# Altium PCB WSD_PCB.PcbDoc (part 1 of 2) (continued)
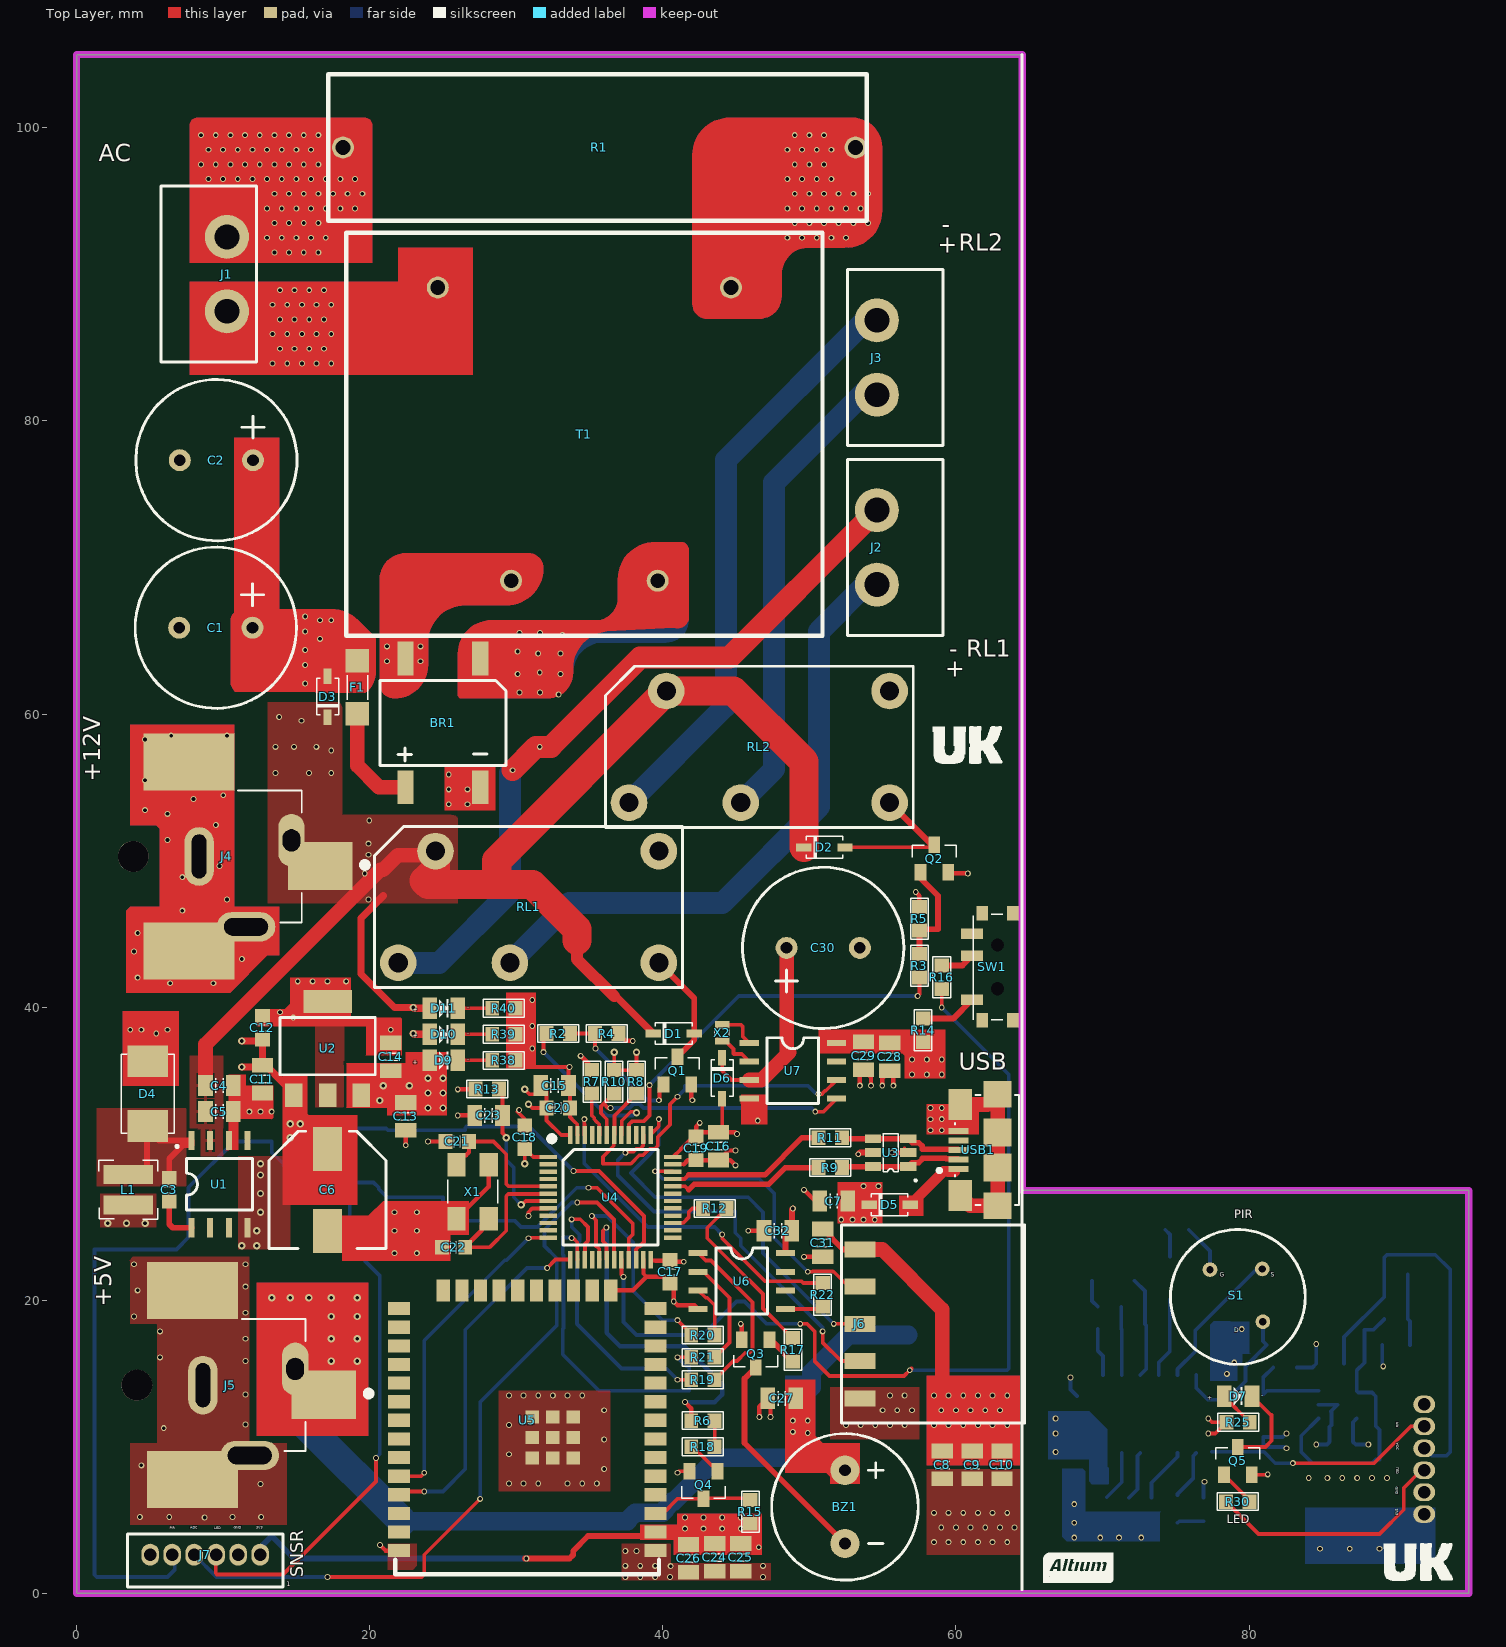
[diagram p0: Top Layer view]
## Components (designator, comment, footprint, x,y, rotation, side; value= is the part's Value field where it differs from the comment)
BR1 "DB105S" DB105S 24.998,59.288 r180 top
BZ1 "CMI-9605IC-0580T" CMI-9605IC-0580T 52.43,5.908 r0 top
C1 "470u" "CAP ALUM RADIAL TH D10 L20 P5" 9.504,65.892 r180 top
C2 "470u" "CAP ALUM RADIAL TH D10 L20 P5" 9.544,77.322 r180 top
C3 "10n" "CAPACITOR 0603" 6.325,27.546 r90 top
C4 "1u" "CAPACITOR 0805 - duplicate" 9.754,34.658 r180 top value=1uF
C5 "100n" "CAPACITOR 0805 - duplicate" 9.754,32.88 r180 top value=100nF
C6 "68u" "CAP ALUM RADIAL SMD D6.3 L7.7 P1.8" 17.124,27.538 r270 top
C7 "4u7" "CAPACITOR 0805 - duplicate" 51.668,26.776 r0 top value=4.7uF
C8 "4u7" "CAPACITOR 0805 - duplicate" 59.074,8.768 r90 top value=4.7uF
C9 "4u7" "CAPACITOR 0805 - duplicate" 61.106,8.768 r90 top value=4.7uF
C10 "1u" "CAPACITOR 0805 - duplicate" 63.138,8.768 r90 top value=1uF
C11 "1u" "CAPACITOR 0805 - duplicate" 12.687,35.097 r90 top value=1uF
C12 "100n" "Capacitor 0603" 12.687,38.587 r270 top value=100nF
C13 "4u7" "CAPACITOR 0805 - duplicate" 22.458,32.552 r90 top value=4.7uF
C14 "1u" "CAPACITOR 0805 - duplicate" 21.442,36.616 r270 top value=1uF
C15 "4u7" "CAPACITOR 0805 - duplicate" 32.618,34.65 r180 top value=4.7uF
C16 "1u" "CAPACITOR 0805 - duplicate" 43.794,30.52 r90 top value=1uF
C17 "100n" "Capacitor 0603" 40.492,21.95 r90 top value=100nF
C18 "100n" "Capacitor 0603" 30.586,31.132 r270 top value=100nF
C19 "100n" "Capacitor 0603" 42.27,30.37 r90 top value=100nF
C20 "100n" "Capacitor 0603" 32.872,33.126 r180 top value=100nF
C21 "20p" "CAPACITOR 0603" 25.976,30.84 r0 top
C22 "20p" "CAPACITOR 0603" 25.722,23.63 r0 top
C23 "100n" "CAPACITOR 0805 - duplicate" 28.112,32.618 r0 top value=100nF
C24 "4u7" "CAPACITOR 0805 - duplicate" 43.54,2.458 r90 top value=4.7uF
C25 "1u" "CAPACITOR 0805 - duplicate" 45.318,2.458 r90 top value=1uF
C26 "100n" "CAPACITOR 0805 - duplicate" 41.762,2.392 r90 top value=100nF
C27 "100n" "CAPACITOR 0805 - duplicate" 48.112,13.314 r0 top value=100nF
C28 "100n" "CAPACITOR 0805 - duplicate" 55.478,36.616 r90 top value=100nF
C29 "1u" "CAPACITOR 0805 - duplicate" 53.7,36.682 r90 top value=1uF
C30 "470u" "CAP ALUM RADIAL TH D10 L20 P5" 50.946,44.048 r0 top
C31 "1u" "CAPACITOR 0805 - duplicate" 50.906,23.916 r90 top value=1uF
C32 "100n" "CAPACITOR 0805 - duplicate" 47.858,24.744 r0 top value=100nF
C33 "10n" "CAPACITOR 0603" 70.523,16.516 r180 bottom
C34 "33u" "CAPACITOR 1206" 70.739,21.342 r180 bottom
C35 "100n" "Capacitor 0603" 70.292,5.77 r90 bottom value=100nF
C36 "10n" "CAPACITOR 0603" 73.787,18.294 r180 bottom
C37 "100n" "Capacitor 0603" 80.414,16.946 r180 bottom value=100nF
C38 "33u" "CAPACITOR 1206" 74.61,21.518 r270 bottom
C39 "100n" "Capacitor 0603" 68.26,12.666 r270 bottom value=100nF
C40 "1u" "CAPACITOR 0805 - duplicate" 68.006,8.884 r90 bottom value=1uF
C41 "100n" "Capacitor 0603" 77.15,17.962 r180 bottom value=100nF
C42 "4u7" "CAPACITOR 0805 - duplicate" 88.9,5.776 r270 bottom value=4.7uF
C43 "4u7" "CAPACITOR 0805 - duplicate" 86.868,5.776 r270 bottom value=4.7uF
C44 "1u" "CAPACITOR 0805 - duplicate" 84.836,5.776 r270 bottom value=1uF
C45 "100n" "Capacitor 0603" 86.294,10.342 r0 bottom value=100nF
C46 "4u7" "CAPACITOR 0805 - duplicate" 90.033,16.946 r180 bottom value=4.7uF
C47 "1u" "CAPACITOR 0805 - duplicate" 85.532,15.676 r0 bottom value=1uF
D1 "1N4148WS" SOD-323F 40.746,38.206 r180 top value=4pF
D2 "1N4148WS" SOD-323F 51.03,50.906 r180 top value=4pF
D3 "1N4148WS" SOD-323F 17.124,61.19 r270 top value=4pF
D4 "1SMB5919BT3G" SMB 4.861,34.103 r270 top
D5 "1N4148WS" SOD-323F 55.478,26.522 r180 top value=4pF
D6 "1N4148WS" SOD-323F 44.048,35.158 r90 top value=4pF
D7 "HSMC-C170" "LED RED 0805" 79.248,13.462 r0 top
D8 "LTST-C171GKT" "LED GREEN 0805" 75.118,5.77 r90 bottom
D9 "LTST-C171GKT" "LED GREEN 0805" 25.052,36.374 r0 top
D10 "LTST-C171GKT" "LED GREEN 0805" 25.052,38.152 r0 top
D11 "LTST-C171GKT" "LED GREEN 0805" 25.052,39.93 r0 top
F1 "3413.0216.22" 3413.0216.22 19.156,61.828 r90 top
J1 "TBP01R1-508-02BE" "2P TH TERMINAL 5.08 MALE" 10.266,90.022 r270 top
J2 "TBP01R1-508-02BE" "2P TH TERMINAL 5.08 MALE" 54.61,71.374 r90 top
J3 "TBP01R1-508-02BE" "2P TH TERMINAL 5.08 MALE" 54.61,84.328 r90 top
J4 "PJ-037AH-SMT-TR" JACK 10.241,50.286 r0 top
J5 "PJ-037AH-SMT-TR" JACK 10.495,14.218 r0 top
J6 "SMH-105-02-L-S" "5P TH CONN 2.54 FEMALE HEADER" 53.446,18.394 r270 top
J7 "WR-WTB 64800611622" "6P SMD TERMINAL 1.50 MALE" 8.778,2.646 r180 top
J8 "WR-WTB 64800611622" "6P SMD TERMINAL 1.50 MALE" 91.948,9.156 r90 bottom
L1 "47u" "IND 1212" 3.531,27.546 r270 top value=47uH
Q1 "MMBT3904-7-F" SOT-23F 41,35.666 r0 top
Q2 "MMBT3904-7-F" SOT-23F 58.526,50.144 r0 top
Q3 "MMBT3904-7-F" SOT-23F 46.334,16.362 r180 top
Q4 "MMBT3904-7-F" SOT-23F 42.778,7.401 r180 top
Q5 "MMBT3904-7-F" SOT-23F 79.235,9.05 r0 top
R1 "0.27R" "RES 5WD27 AXIAL" 35.666,98.658 r0 top
R2 "1K" "Resistor 0603" 32.872,38.206 r0 top value=1kR
R3 "1K" "Resistor 0603" 57.51,42.816 r90 top value=1kR
R4 "10K" "Resistor 0603" 36.174,38.206 r180 top value=10kR
R5 "10K" "Resistor 0603" 57.51,46.042 r270 top value=10kR
R6 "100R" "Resistor 0603" 42.74,11.79 r180 top
R7 "100R" "Resistor 0603" 35.158,34.904 r270 top
R8 "4K7" "Resistor 0603" 38.206,34.904 r270 top value=4.7kR
R9 "15R" "Resistor 0603" 51.414,29.062 r0 top
R10 "4K7" "Resistor 0603" 36.682,34.904 r270 top value=4.7kR
R11 "15R" "Resistor 0603" 51.414,31.094 r0 top
R12 "100R" "Resistor 0603" 43.54,26.268 r180 top
R13 "100R" "Resistor 0603" 28.012,34.414 r0 top
R14 "100R" "Resistor 0603" 57.764,38.422 r270 top
R15 "1K" "Resistor 0603" 45.974,5.588 r90 top value=1kR
R16 "100R" "Resistor 0603" 59.034,42.054 r90 top
R17 "100R" "Resistor 0603" 48.874,16.616 r270 top
R18 "100R" "Resistor 0603" 42.74,10.012 r180 top
R19 "100R" "Resistor 0603" 42.74,14.584 r0 top
R20 "100R" "Resistor 0603" 42.74,17.632 r0 top
R21 "100R" "Resistor 0603" 42.74,16.108 r0 top
R22 "100R" "Resistor 0603" 50.906,20.388 r270 top
R23 "560K" "Resistor 0603" 70.485,18.04 r180 bottom value=560kR
R24 "220K" "Resistor 0603" 70.508,8.056 r180 bottom
R25 "100R" "Resistor 0603" 79.248,11.684 r180 top
R26 "10K" "Resistor 0603" 70.485,19.564 r0 bottom value=10kR
R27 "0R" "Resistor 0603" 71.816,5.732 r90 bottom value=0mR
R28 "560K" "Resistor 0603" 73.787,16.516 r180 bottom value=560kR
R29 "0R" "Resistor 0603" 73.34,5.732 r90 bottom value=0mR
R30 "1K" "Resistor 0603" 79.235,6.266 r0 top value=1kR
R31 "10K" "Resistor 0603" 75.08,24.82 r180 bottom value=10kR
R32 "43K" "Resistor 0603" 77.127,16.516 r180 bottom
R33 "1K" "Resistor 0603" 76.896,5.732 r90 bottom value=1kR
R34 "220K" "Resistor 0603" 90.033,21.772 r0 bottom
R35 "1K" "Resistor 0603" 90.033,18.724 r180 bottom value=1kR
R36 "220K" "Resistor 0603" 90.033,20.248 r0 bottom
R37 "10K" "Resistor 0603" 82.446,15.422 r180 bottom value=10kR
R38 "1K" "Resistor 0603" 29.162,36.374 r180 top value=1kR
R39 "1K" "Resistor 0603" 29.162,38.152 r180 top value=1kR
R40 "4K7" "Resistor 0603" 29.162,39.93 r180 top value=4.7kR
RL1 "ALQ112" ALQ112 30.84,46.842 r180 top
RL2 "ALQ112" ALQ112 46.588,57.764 r180 top
RT1 "TFPT1206L1002FM" "RESISTOR 1206" 80.96,12.12 r90 bottom value=10kR
S1 "LHI 878/3902" "LHI 878" 79.235,20.236 r0 top
SW1 "EG1215AA" EG1215AA 62.494,42.754 r90 top
T1 "BV302S12010" BV302S12010 34.65,79.1 r180 top
U1 "LM2675MX-12/NOPB" SOIC-8 9.754,27.927 r0 top
U2 "AP7361-33E-13" SOT223/SOT223R 17.132,37.19 r0 top
U3 "USBLC6-2SC6" SOT23-6L 55.548,30.078 r90 top value=3.5pF
U4 "STM32F103C6T6A" LQFP48 36.428,27.029 r270 top
U5 "ESP32-WROOM-32E" ESP32­WROOM­32E 30.738,11.804 r180 top
U6 "MAX6662MSA" SOIC-8 45.391,21.315 r270 top
U7 "M41T00M6F" SOIC-8 48.874,35.666 r270 top
U8 "NCS36000DRG" SOIC-14 73.66,12.326 r270 bottom
U9 "OPA314AIDBVR" SOT23-5 86.04,12.882 r0 bottom
USB1 "10118192-0001LF" "USB2.0 MICRO B SMD" 60.169,30.262 r90 top
X1 "16 MHz" "ECS-160-20-30B-TR 16MHZ" 27.03,27.411 r270 top
X2 "32.768KHz" ABS05-32.768KHZ-T 44.048,38.248 r90 top

## Footprints (in the part's own frame and the unit in brackets; to place one, negate y for a bottom-side part, rotate by r counter-clockwise, add the part's x,y. Pads: shape width x height; smd on the part's side, far side on the other; paste and mask are expansions set on the pad)
"2P TH TERMINAL 5.08 MALE" [mm]
  round 3 hole 1.7 mask+0.05: 1(-2.54,0) 2(2.54,0)
  silkscreen extent -6,-4.5 6,2, body extent -5.94,-10.1 5.82,1.9, height 8.51
"5P TH CONN 2.54 FEMALE HEADER" [mm]
  rect 1.1x2.1 smd mask+0.05: 1(-5.08,0) 2(-2.54,0) 3(0,0) 4(2.54,0) 5(5.08,0)
  silkscreen extent -6.75,-1.25 6.75,11.25, body extent -6.6,-0.68 6.6,11.26, height 2.43
"6P SMD TERMINAL 1.50 MALE" [mm]
  oval 1.2x1.5 hole 0.85 mask+0.05: 1(-3.75,0) 2(-2.25,0) 3(-0.75,0) 4(0.75,0) 5(2.25,0) 6(3.75,0)
  silkscreen extent -5.3,-1.4 5.3,2.2, body extent -5.22,-1.35 5.28,2.15, height 4.51
3413.0216.22 [mm]
  rect 1.6x1.6 smd mask+0.05: 1(-1.8,0) 2(1.8,0)
  silkscreen extent -0.85,-0.7 0.82,0.7, body extent -1.6,-0.8 1.6,0.8, height 0.6
ABS05-32.768KHZ-T [mm]
  rect 0.5x1 smd mask+0.05: 1(-0.55,0) 2(0.55,0)
  silkscreen extent -0.2,-0.49 0.2,0.5, body extent -0.8,-0.5 0.8,0.5, height 0.52
ALQ112 [mm]
  round 2.5 hole 1.3 mask+0.05: 1(-8.89,-3.81) 2(1.27,3.81) 3(8.89,3.81) 4(6.35,-3.81) 5(-8.89,3.81)
  silkscreen extent -10.5,-5.5 10.5,5.5, body extent -10,-5 10,5, height 15.6
BV302S12010 [mm]
  round 1.5 hole 1 mask+0.05: 1(-10,-10) 5(10,-10) 7(5,10) 9(-5,10)
  silkscreen extent -16.25,-13.75 16.25,13.75, body extent -16.25,-13.75 16.25,13.75, height 21.8
"CAP ALUM RADIAL SMD D6.3 L7.7 P1.8" [mm]
  rect 3x2 smd mask+0.05: 1(-2.8,0) 2(2.8,0)
  silkscreen extent -4,-4 4,4, body extent -3.8,-3.4 3.8,3.4, height 8.02
"CAP ALUM RADIAL TH D10 L20 P5" [mm]
  round 1.5 hole 0.8 mask+0.05: 1(-2.5,0) 2(2.5,0)
  silkscreen extent -5.5,-5.5 5.5,5.5, body extent -5.25,-5.25 5.25,5.27, height 22.02
"CAPACITOR 0603" [mm]
  rect 0.95x1 smd mask+0.05: 1(-0.8,0) 2(0.8,0)
  silkscreen extent -0.2,-0.4 0.2,0.4, body extent -0.8,-0.4 0.8,0.4, height 0.81
"Capacitor 0603" [mm]
  rect 0.95x1 smd mask+0.05: 1(-0.8,0) 2(0.8,0)
  silkscreen extent -0.2,-0.4 0.2,0.4, body extent -0.8,-0.4 0.8,0.4, height 0.81
"CAPACITOR 0805 - duplicate" [mm]
  rect 1x1.45 smd mask+0.05: 1(-0.95,0) 2(0.95,0)
  silkscreen extent -0.25,-0.5 0.25,0.5, body extent -1,-0.63 1,0.63, height 1.35
"CAPACITOR 1206" [mm]
  rect 1.15x1.8 smd mask+0.05: 1(-1.45,0) 2(1.45,0)
  silkscreen extent -0.4,-0.9 0.4,0.9, body extent -1.6,-0.8 1.6,0.8, height 1.8
CMI-9605IC-0580T [mm]
  round 2 hole 0.8 mask+0.05: 1(0,2.5) 2(0,-2.5)
  silkscreen extent -5,-5 5,5, body extent -4.6,-4.6 4.6,4.6, height 5.1
DB105S [mm]
  rect 1.1x2.3 smd mask+0.05: 1(-2.55,-4.5) 2(2.55,-4.5) 3(2.55,4.275) 4(-2.55,4.275)
  silkscreen extent -4.3,-3 4.3,2.8, body extent -4.08,-4.95 4.08,4.95, height 2.51
"ECS-160-20-30B-TR 16MHZ" [mm]
  rect 1.6x1.25 smd mask+0.05: 1(-1.85,-1.1) 2(-1.85,1.1) 2(1.85,-1.1) 3(1.85,1.1)
  silkscreen extent -0.8,-1.7 0.8,1.7, body extent -2.5,-1.6 2.5,1.6, height 0.86
EG1215AA [mm]
  rect 0.7x1.5 smd mask+0.05: 1(-2.25,1.4) 2(0.75,1.4) 3(2.25,1.4)
  rect 1x0.8 smd mask+0.05: ""(-3.65,-1.4) ""(-3.65,0.7) ""(3.65,-1.4) ""(3.65,0.7)
  round 0 hole 0.9 mask+0.05: ""(-1.5,-0.35) ""(1.5,-0.35)
  silkscreen extent -3.6,-2 3.6,1.3, body extent -3.85,-3.05 3.85,1.85, height 1.41
ESP32­WROOM­32E [mm]
  rect 1.5x0.9 smd mask+0.05: 1(-8.75,8.88) 2(-8.75,7.61) 3(-8.75,6.34) 4(-8.75,5.07) 5(-8.75,3.8) 6(-8.75,2.53) 7(-8.75,1.26) 8(-8.75,-0.01) 9(-8.75,-1.28) 10(-8.75,-2.55) 11(-8.75,-3.82) 12(-8.75,-5.09) 13(-8.75,-6.36) 14(-8.75,-7.63) 25(8.75,-7.63) 26(8.75,-6.36) 27(8.75,-5.09) 28(8.75,-3.82) 29(8.75,-2.55) 30(8.75,-1.28) 31(8.75,-0.01) 32(8.75,1.26) 33(8.75,2.53) 34(8.75,3.8) 35(8.75,5.07) 36(8.75,6.34) 37(8.75,7.61) 38(8.75,8.88)
  rect 0.9x1.5 smd mask+0.05: 15(-5.715,-8.88) 16(-4.445,-8.88) 17(-3.175,-8.88) 18(-1.905,-8.88) 19(-0.635,-8.88) 20(0.635,-8.88) 21(1.905,-8.88) 22(3.175,-8.88) 23(4.445,-8.88) 24(5.715,-8.88)
  rect 0.9x0.9 smd mask+0.05: 39(-3.15,2.56) 39(-3.15,-0.24) 39(-3.15,1.16) 39(-1.75,2.56) 39(-1.75,-0.24) 39(-1.75,1.16) 39(-0.35,2.56) 39(-0.35,1.16) 39(-0.35,-0.24)
  silkscreen extent -9,9.5 9,10.5, body extent -9,-9.15 9,16.35, height 3.1
"IND 1212" [mm]
  rect 1.3x3.4 smd mask+0.05: 1(-1.05,0) 2(1.05,0)
  silkscreen extent -2,-2 2,2, body extent -1.5,-1.5 1.5,1.5, height 1.21
JACK [mm]
  oval 1.8x3.6 hole 1.2 slot 1.5 at 90 deg: 1(4.425,1.1)
  rect 4.4x3.3 smd: 1(6.375,-0.65)
  rect 6.2x3.9 smd: 2(-2.575,6.45) 3(-2.575,-6.45)
  oval 2x4 hole 1 slot 3 at 90 deg: 2(-1.875,0)
  oval 4x2 hole 1.2 slot 3 at 0 deg: 3(1.325,-4.8)
  round 2.1 hole 2.1 unplated: ""(-6.375,0)
  silkscreen extent 0.78,-4.5 9.63,4.5, body extent -9.28,-7.55 7.83,7.65, height 11.11
"LED GREEN 0805" [mm]
  rect 1x1.45 smd mask+0.05: 1(-0.95,0) 2(0.95,0)
  silkscreen extent -0.3,-0.61 0.3,0.6, body extent -1,-0.63 1,0.63, height 0.8
"LED RED 0805" [mm]
  rect 1x1.45 smd mask+0.05: 1(-0.95,0) 2(0.95,0)
  silkscreen extent -0.3,-0.61 0.3,0.6, body extent -1,-0.63 1,0.63, height 0.8
"LHI 878" [mm]
  round 1 hole 0.5 mask+0.05: 1(1.71,-1.7) 2(1.67,1.905) 3(-1.9,1.86)
  silkscreen extent -4.6,-4.6 4.6,4.6, body extent -4.7,-4.94 4.5,4.69, height 4.6
LQFP48 [mm] "LQFP48, 7 x 7 mm, 48-pin low-profile quad flat / package 1.6mm"
  rect 0.3x1.2 smd mask+0.05: 1(-2.75,-4.25) 1(-2.75,-4.25) 2(-2.25,-4.25) 3(-1.75,-4.25) 4(-1.25,-4.25) 5(-0.75,-4.25) 6(-0.25,-4.25) 7(0.25,-4.25) 8(0.75,-4.25) 9(1.25,-4.25) 10(1.75,-4.25) 11(2.25,-4.25) 12(2.75,-4.25) 25(2.75,4.25) 26(2.25,4.25) 27(1.75,4.25) 28(1.25,4.25) 29(0.75,4.25) 30(0.25,4.25) 31(-0.25,4.25) 32(-0.75,4.25) 33(-1.25,4.25) 34(-1.75,4.25) 35(-2.25,4.25) 36(-2.75,4.25)
  rect 1.2x0.3 smd mask+0.05: 13(4.25,-2.75) 14(4.25,-2.25) 15(4.25,-1.75) 16(4.25,-1.25) 17(4.25,-0.75) 18(4.25,-0.25) 19(4.25,0.25) 20(4.25,0.75) 21(4.25,1.25) 22(4.25,1.75) 23(4.25,2.25) 24(4.25,2.75) 37(-4.25,2.75) 38(-4.25,2.25) 39(-4.25,1.75) 40(-4.25,1.25) 41(-4.25,0.75) 42(-4.25,0.25) 43(-4.25,-0.25) 44(-4.25,-0.75) 45(-4.25,-1.25) 46(-4.25,-1.75) 47(-4.25,-2.25) 48(-4.25,-2.75)
  silkscreen extent -4.25,-4.25 3.25,3.25, body extent -4.5,-4.5 4.5,4.5, height 1.6
"RES 5WD27 AXIAL" [mm]
  round 1.5 hole 1 mask+0.05: 1(-17.487,0) 2(17.488,0)
  silkscreen extent -18.5,-5 18.25,5, body extent -17.91,-4.8 17.89,4.85, height 9.65
"Resistor 0603" [mm]
  rect 0.95x1 smd mask+0.05: 1(-0.8,0) 2(0.8,0)
  silkscreen extent -1.4,-0.6 1.4,0.6, body extent -0.8,-0.43 0.8,0.43, height 0.48
"RESISTOR 1206" [mm]
  rect 1.15x1.7 smd mask+0.05: 1(-1.45,0) 2(1.45,0)
  silkscreen extent -2.12,-0.97 2.12,0.95, body extent -1.6,-0.8 1.6,0.8, height 0.58
SMB [mm]
  rect 2.159x2.743 smd mask+0.05: 1(-2.21,0)
  rect 2.159x2.743 smd paste-2539.97 mask+0.05: 2(2.21,0)
  silkscreen extent -2.7,-1.8 3.68,2.08, body extent -2.72,-1.78 2.72,1.78, height 2.48
SOD-323F [mm]
  rect 1.05x0.55 smd mask+0.05: 1(-1.4,0) 2(1.4,0)
  silkscreen extent -1.25,-0.75 1.25,0.75, body extent -1.25,-0.63 1.25,0.63, height 0.91
SOIC-8 [mm]
  rect 0.41x1.3 smd mask+0.05: 1(-1.905,-2.975) 2(-0.635,-2.975) 3(0.635,-2.975) 4(1.905,-2.975) 5(1.905,2.975) 6(0.635,2.975) 7(-0.635,2.975) 8(-1.905,2.975)
  silkscreen extent -2.25,-1.75 2.25,1.75, body extent -2.45,-3 2.45,3, height 1.75
SOIC-14 [mm]
  rect 1.18x0.58 smd mask+0.05: 1(-2.66,3.81) 2(-2.66,2.54) 3(-2.66,1.27) 4(-2.66,0) 5(-2.66,-1.27) 6(-2.66,-2.54) 7(-2.66,-3.81) 8(2.66,-3.81) 9(2.66,-2.54) 10(2.66,-1.27) 11(2.66,0) 12(2.66,1.27) 13(2.66,2.54) 14(2.66,3.81)
  silkscreen extent -3.97,-3.9 1.7,3.87, body extent -3,-4.28 3,4.28, height 1.78
SOT23-5 [mm]
  rect 1.1x0.6 smd mask+0.05: 1(-1.3,0.95) 2(-1.3,0) 3(-1.3,-0.95) 4(1.3,-0.95) 5(1.3,0.95)
  silkscreen extent -2.3,-1.3 0.8,1.5, body extent -1.4,-1.45 1.4,1.45, height 1.45
SOT23-6L [mm]
  rect 0.6x1.1 smd mask+0.05: 1(-0.95,-1.2) 2(0,-1.2) 3(0.95,-1.2) 4(0.95,1.2) 5(0,1.2) 6(-0.95,1.2)
  silkscreen extent -1.95,-1.75 1.3,0.53, body extent -1.52,-1.5 1.52,1.5, height 1.45
SOT223/SOT223R [mm]
  rect 1.2x1.6 smd mask+0.05: 1(-2.3,-3.2) 2(0,-3.2) 3(2.3,-3.2)
  rect 3.3x1.6 smd mask+0.05: 2(0,3.2)
  silkscreen extent -3.25,-1.8 3.25,2.1, body extent -3.25,-3.48 3.25,3.48, height 1.68
SOT-23F [mm]
  rect 0.8x1.11 smd mask+0.05: 1(-0.95,-0.945) 2(0.95,-0.945) 3(0,0.945)
  silkscreen extent -1.5,0.1 1.5,0.9, body extent -1.45,-1.19 1.45,1.21, height 0.91
"USB2.0 MICRO B SMD" [mm]
  rect 0.4x1.35 smd mask+0.05: 1(-1.3,0) 2(-0.65,0) 3(0,0) 4(0.65,0) 5(1.3,0)
  rect 1.8x1.9 smd mask+0.05: SH(-3.8,-2.675) SH(3.8,-2.675)
  rect 2.1x1.6 smd mask+0.05: SH(-3.1,-0.125) SH(3.1,-0.125)
  rect 1.9x1.9 smd mask+0.05: SH(-1.2,-2.675) SH(1.2,-2.675)
  silkscreen extent -3.75,-4.13 3.75,1.4, body extent -3.96,-5.4 3.96,0.27, height 2.57

## Part data
BR1: "Bridge Rectifier Single Phase Standard 600 V Surface Mount DB-S", Manufacturer="Sangdest Microelectronics", Supplier Part Number=1655-DB105SCT-ND, Category=Uncategorized, Designed by=UK, Manufacturer Part Number=DB105S, Pricing="1=0.41, 10=0.29, 100=0.1464, 500=0.12978 (USD)", RoHS=No, Stock=12377, Supplier=Digikey
BZ1: "Audio Buzzer Magnetic 3VDC 7VDC 30mA 5VDC 85dB 2600Hz to 2800Hz Through Hole Pin Box", Manufacturer="CUI Devices", Supplier Part Number=2223-CMI-9605IC-0580T-ND, Category="Audio Products", Designed by=UK, Height=5mm, Length=9.6mm, Manufacturer Part Number=CMI-9605IC-0580T, Pricing="1=1, 10=0.837, 25=0.7744, 50=0.7312 (USD)", RoHS=No, Shape=4456Shape, Stock=5278, Supplier=Digikey, Width=9.6mm
C1 C2 C30: library part "CAP ALUM 470uF RADIAL TH", "Radial Electrolytic Aluminium Capacitor, 470uF, 50VDC, 20%", Manufacturer=KEMET, Manufacturer Part Number=ESH477M050AH4AA, Supplier Part Number=399-15683-ND, Voltage Rating (DC)=50V, Category=LDO, ComponentLink1Description=https://api.kemet.com/component-edge/download/datasheet/ESH477M050AH4AA.pdf?src-supplier=Digikey, ComponentLink1URL=https://api.kemet.com/component-edge/download/datasheet/ESH477M050AH4AA.pdf?src-supplier=Digikey, ComponentLink2Description=https://datasheet.octopart.com/ESH477M050AH4AA-KEMET-datasheet-130075338.pdf?src-supplier=Newark, ComponentLink2URL=https://datasheet.octopart.com/ESH477M050AH4AA-KEMET-datasheet-130075338.pdf?src-supplier=Newark, Designed by=UK, Diameter=10mm, Height=20mm, Pricing="1=0.64, 10=0.432, 200=0.28415, 1000=0.1887, 5000=0.1665, 10000=0.1554 (USD)", RoHS=Yes, Stock=10333, Supplier=Digikey
C3 C33 C36: library part "CAP CER 10nF 0603", "0603 16V X7R 10nF 10% multilayer ceramic capacitor", Manufacturer="Walsin Technologies", Manufacturer Part Number=0603B103K160CT, Supplier Part Number=1292-1384-6-ND, Category="Ceramic Capacitors", ComponentLink1Description=http://www.farnell.com/datasheets/1958513.pdf?src-supplier=Farnell, ComponentLink1URL=http://www.farnell.com/datasheets/1958513.pdf?src-supplier=Farnell, ComponentLink2Description=https://datasheet.octopart.com/0603B103K160CT-Walsin-Technologies-datasheet-136037192.pdf?src-supplier=Future+Electronics, ComponentLink2URL=https://datasheet.octopart.com/0603B103K160CT-Walsin-Technologies-datasheet-136037192.pdf?src-supplier=Future+Electronics, ComponentLink3Description=http://www.passivecomponent.com/wp-content/uploads/2018/10/MLCC.pdf?src-supplier=Digikey, ComponentLink3URL=http://www.passivecomponent.com/wp-content/uploads/2018/10/MLCC.pdf?src-supplier=Digikey, ComponentLink4Description=https://datasheet.octopart.com/0603B103K160CT-Walsin-Technologies-datasheet-85392065.pdf?src-supplier=Element14, ComponentLink4URL=https://datasheet.octopart.com/0603B103K160CT-Walsin-Technologies-datasheet-85392065.pdf?src-supplier=Element14, ComponentLink5Description=https://datasheet.octopart.com/0603B103K160CT-Walsin-Technologies-datasheet-62066062.pdf?src-supplier=TME, ComponentLink5URL=https://datasheet.octopart.com/0603B103K160CT-Walsin-Technologies-datasheet-62066062.pdf?src-supplier=TME, Designed by=UK, Lead Free=5697LeadFree, Pricing="1=0.1, 10=0.031, 50=0.018, 100=0.0139, 500=0.0105, 1000=0.00825 (USD)", RoHS=Yes, Stock=66398, Supplier=Digikey
C4 C10 C11 C14 C16 C25 C29 C31 C40 C44 C47: library part "CAP CER 1uF 0805", "Multilayer Ceramic Capacitor, 1 uF, 50 V, ± 10%, X7R, 0805 [2012 Metric]", Case Code (Imperial)=0805, Case Code (Metric)=2012, Dielectric=X7R, Manufacturer=Samsung, Manufacturer Part Number=CL21B105KBFNNNE, Max Operating Temperature=125°C, Min Operating Temperature=-55°C, Package Quantity=1, Supplier Part Number=1276-1029-2-ND, Tolerance=10%, Voltage=50V, Case/Package=0805, Category="Ceramic Capacitors", ComponentLink1Description=https://datasheet.ciiva.com/25800/cl21b105kbfnnne-25800291.pdf?src-supplier=Digikey, ComponentLink1URL=https://datasheet.ciiva.com/25800/cl21b105kbfnnne-25800291.pdf?src-supplier=Digikey, Construction=Flat, Depth=1.25mm, Designed by=UK, Height=1.25mm, Length=2mm, Material=Ceramic, Mounting Technology="Surface Mount", Packaging="Tape and Reel", Pricing="2000=0.02015, 4000=0.01844, 10000=0.01715, 14000=0.01629, 50000=0.01415, 100000=0.01169, 200000=0.0114 (USD)", Radiation Hardening=No, RoHS=Yes, RoHS Compliant=Yes, Series=CL, Stock=1265790, Supplier=Digikey, Thickness=0.053inch, Voltage Rating=50V, Voltage Rating (DC)=50V, Width=0.049inch
C5 C23 C26 C27 C28 C32: library part "CAP CER 100nF 0805", "Multilayer Ceramic Capacitor, 0.1 uF, 50 V, ± 10%, X7R, 0805 [2012 Metric]", Case Code (Imperial)=0805, Case Code (Metric)=2012, Dielectric=X7R, Manufacturer=Samsung, Manufacturer Part Number=CL21B104KBCNNNC, Max Operating Temperature=125°C, Min Operating Temperature=-55°C, Supplier Part Number=1276-1003-6-ND, Tolerance=10%, Voltage=50V, Case/Package=0805, Category="Ceramic Capacitors", ComponentLink1Description=https://datasheet.ciiva.com/25710/cl21b104kbcnnnc-25710182.pdf?src-supplier=Digikey, ComponentLink1URL=https://datasheet.ciiva.com/25710/cl21b104kbcnnnc-25710182.pdf?src-supplier=Digikey, ComponentLink2Description=https://datasheet.ciiva.com/29199/454152-da-01-en-vs-kondensator-0805-29199814.pdf?src-supplier=Conrad, ComponentLink2URL=https://datasheet.ciiva.com/29199/454152-da-01-en-vs-kondensator-0805-29199814.pdf?src-supplier=Conrad, Construction=Flat, Depth=1.25mm, Designed by=UK, Height=0.85mm, Lead Free=5697LeadFree, Length=2mm, Material=Ceramic, Mounting Technology="Surface Mount", Packaging="Tape and Reel", Pricing="1=0.1, 10=0.042, 50=0.024, 100=0.0186, 500=0.01404, 1000=0.01103 (USD)", Radiation Hardening=No, RoHS=Yes, RoHS Compliant=Yes, Series=CL, Stock=1751530, Supplier=Digikey, Thickness=0.037inch, Voltage Rating=50V, Voltage Rating (DC)=50V, Width=0.049inch
C6: library part "CAP ALUM 68UF RADIAL SMD", "Cap Aluminum Lytic 68uF 35V 20%( 6.3 X 7.7mm) SMD 0.34 Ohm 280mA 2000h 105C T/R", Manufacturer=KEMET, Manufacturer Part Number=EEV686M035A9HAA, Supplier Part Number=80-EEV686M035A9HAA, Category="Aluminum Electrolytic Capacitors", ComponentLink1Description=https://datasheet.ciiva.com/5365/kem-a4002-eev-535332-5365784.pdf?src-supplier=Mouser, ComponentLink1URL=https://datasheet.ciiva.com/5365/kem-a4002-eev-535332-5365784.pdf?src-supplier=Mouser, Designed by=UK, Pricing="1=0.39, 10=0.221, 50=0.221, 100=0.143, 1000=0.125, 10000=0.125 (USD)", RoHS=Yes, Stock=13222, Supplier=Mouser
C7 C8 C9 C13 C15 C24 C42 C43 C46: library part "CAP CER 4.7uF 0805", "Multilayer Ceramic Capacitor, 4.7 uF, 25 V, ± 10%, X5R, 0805 [2012 Metric]", Case Code (Imperial)=0805, Case Code (Metric)=2012, Dielectric=X5R, Manufacturer=Samsung, Manufacturer Part Number=CL21A475KAQNNNE, Max Operating Temperature=85°C, Min Operating Temperature=-55°C, Supplier Part Number=1276-1244-2-ND, Tolerance=10%, Voltage Rating=25V, Case/Package=0805, Category="Ceramic Capacitors", ComponentLink1Description=https://datasheet.ciiva.com/25798/cl21a475kaqnnne-25798882.pdf?src-supplier=Digikey, ComponentLink1URL=https://datasheet.ciiva.com/25798/cl21a475kaqnnne-25798882.pdf?src-supplier=Digikey, Construction=Flat, Depth=1.25mm, Designed by=UK, Height=1.25mm, Lead Free="Lead Free", Length=2mm, Material=Ceramic, Mounting Technology="Surface Mount", Packaging="Tape and Reel", Pricing="2000=0.01305, 4000=0.01194, 10000=0.0111, 14000=0.01055, 50000=0.00978 (USD)", Radiation Hardening=No, RoHS=Yes, RoHS Compliant=Yes, Series=CL, Stock=3213374, Supplier=Digikey, Voltage Rating (DC)=25V
C12 C17 C18 C19 C20 C35 C37 C39 C41 C45: library part "CAP CER 100nF 0603", "Multilayer Ceramic Capacitor, 0.1 uF, 50 V, ± 10%, X7R, 0603 [1608 Metric]", Case/Package=0603, Dielectric=X7R, Manufacturer=KEMET, Manufacturer Part Number=C0603C104K5RACTU, Max Operating Temperature=125°C, Min Operating Temperature=-55°C, Supplier Part Number=399-C0603C104K5RAC7867TR-ND, Temperature Coefficient=30ppm/°C, Tolerance=10%, Voltage=50V, Category="Ceramic Capacitors", Designed by=UK, Lead Free=5697LeadFree, Length=0.063inch, Material=4241ConductorMaterial, Mounting Technology="Surface Mount", Packaging="Tape and Reel", Pricing="4000=0.01394, 8000=0.01273, 12000=0.01212, 28000=0.01151, 100000=0.00833, 200000=0.00806, 400000=0.00758 (USD)", RoHS=Yes, RoHS Compliant=Yes, Series="SMD Comm X7R", Stock=3063153, Supplier=Digikey, Thickness=0.034inch, Voltage Rating=50V, Width=0.031inch
C21 C22: library part "CAP CER 20pF 0603", "Multilayer Ceramic Capacitor, 20 pF, 50 V, ± 5%, C0G (NP0), 0603 [1608 Metric]", Manufacturer=Samsung, Manufacturer Part Number=CL10C200JB8NNNC, Supplier Part Number=1276-1187-2-ND, Voltage Rating (DC)=50V, Category="Ceramic Capacitors", ComponentLink1Description=https://datasheet.ciiva.com/26877/getdatasheetpartid-640634-26877974.pdf?src-supplier=Verical, ComponentLink1URL=https://datasheet.ciiva.com/26877/getdatasheetpartid-640634-26877974.pdf?src-supplier=Verical, ComponentLink2Description=https://datasheet.ciiva.com/26310/mlcc-catalogdownload2013-eng-26310315.pdf?src-supplier=Distrelec, ComponentLink2URL=https://datasheet.ciiva.com/26310/mlcc-catalogdownload2013-eng-26310315.pdf?src-supplier=Distrelec, Designed by=UK, Pricing="4000=0.00911, 8000=0.00831, 12000=0.00792, 28000=0.00752, 100000=0.00544, 200000=0.00527, 400000=0.00495 (USD)", RoHS=Yes, Stock=296000, Supplier=Digikey
C34 C38: library part "CAP CER 33uF 1206", "Multilayer Ceramic Capacitor, 33 uF, 25 V, ± 20%, X5R, 1206 [3216 Metric]", Manufacturer=TDK, Manufacturer Part Number=C3216X5R1E336M160AC, Supplier Part Number=445-8046-2-ND, Category="Ceramic Capacitors", ComponentLink1Description=https://datasheet.ciiva.com/24216/c3216x5r1e336m160ac-265051-24216512.pdf?src-supplier=Mouser, ComponentLink1URL=https://datasheet.ciiva.com/24216/c3216x5r1e336m160ac-265051-24216512.pdf?src-supplier=Mouser, ComponentLink2Description=https://datasheet.ciiva.com/6285/tdkmlcccaprange-6285278.pdf?src-supplier=Digikey, ComponentLink2URL=https://datasheet.ciiva.com/6285/tdkmlcccaprange-6285278.pdf?src-supplier=Digikey, Designed by=UK, Material=4241ConductorMaterial, Pricing="2000=0.3605, 4000=0.34763, 10000=0.33475, 14000=0.32831 (USD)", RoHS=Yes, Stock=166000, Supplier=Digikey
D1 D2 D3 D5 D6: "Diode Ultra Fast Recovery Rectifier 75V 0.15A 2-Pin SOD-323F T/R", Average Rectified Current=150mA, Manufacturer="ON Semiconductor / Fairchild", Max Forward Surge Current (Ifsm)=2A, Max Operating Temperature=150°C, Max Repetitive Reverse Voltage (Vrrm)=75V, Max Reverse Current=5uA, Min Operating Temperature=-55°C, Package Quantity=1, Supplier Part Number=1N4148WSFSDKR-ND, Category="Rectifier Diodes", Designed by=UK, Element Configuration=Single, Forward Current=150mA, Height=1mm, Lead Free="Lead Free", Length=1.8mm, Manufacturer Part Number=1N4148WS, Max Reverse Voltage (DC)=75V, Mounting Technology="Surface Mount", Packaging="Tape and Reel", Pins=2, Pricing="1=0.19, 10=0.136, 100=0.0733, 500=0.0576, 1000=0.04 (USD)", Radiation Hardening=No, Reach SVHC Compliant=No, Recovery Time=4ns, Reverse Recovery Time=4ns, Reverse Voltage=75V, RoHS=Yes, RoHS Compliant=Yes, Series=-, Stock=620002, Supplier=Digikey, Weight=0.0276g, Width=1.35mm
D4: "Diode Zener Single 5.6V 5% 550mW Automotive 2-Pin SMB T/R", Breakdown Voltage=5.88V, Manufacturer="ON Semiconductor", Power Rating=3W, Supplier Part Number=1SMB5919BT3GOSCT-ND, Voltage Rating (DC)=5.6V, Category="Zener Diodes", ComponentLink1Description=https://datasheet.ciiva.com/27747/1308331-27747654.pdf?src-supplier=Jameco, ComponentLink1URL=https://datasheet.ciiva.com/27747/1308331-27747654.pdf?src-supplier=Jameco, ComponentLink2Description=https://datasheet.ciiva.com/1182/1smb5913bt3-d-1182657.pdf?src-supplier=Element14, ComponentLink2URL=https://datasheet.ciiva.com/1182/1smb5913bt3-d-1182657.pdf?src-supplier=Element14, ComponentLink3Description=https://datasheet.ciiva.com/1182/1smb5913bt3-d-1182658.pdf?src-supplier=Element14, ComponentLink3URL=https://datasheet.ciiva.com/1182/1smb5913bt3-d-1182658.pdf?src-supplier=Element14, ComponentLink4Description=https://datasheet.ciiva.com/895/1smb5913bt3-d-895203.pdf?src-supplier=Digikey, ComponentLink4URL=https://datasheet.ciiva.com/895/1smb5913bt3-d-895203.pdf?src-supplier=Digikey, ComponentLink5Description=https://datasheet.ciiva.com/895/1smb5913bt3-d-895204.pdf?src-supplier=Digikey, ComponentLink5URL=https://datasheet.ciiva.com/895/1smb5913bt3-d-895204.pdf?src-supplier=Digikey, ComponentLink6Description=https://datasheet.ciiva.com/895/1smb5913bt3-d-895205.pdf?src-supplier=Digikey, ComponentLink6URL=https://datasheet.ciiva.com/895/1smb5913bt3-d-895205.pdf?src-supplier=Digikey, ComponentLink7Description=https://datasheet.ciiva.com/15198/getdatasheetpartid-311040-15198695.pdf?src-supplier=Verical, ComponentLink7URL=https://datasheet.ciiva.com/15198/getdatasheetpartid-311040-15198695.pdf?src-supplier=Verical, ComponentLink8Description=https://datasheet.ciiva.com/16311/1smb5913bt3-d-16311847.pdf?src-supplier=Future+Electronics, ComponentLink8URL=https://datasheet.ciiva.com/16311/1smb5913bt3-d-16311847.pdf?src-supplier=Future+Electronics, Designed by=UK, Halogen Free=5694HalogenFree, Lead Free=5697LeadFree, Manufacturer Part Number=1SMB5919BT3G, Material=4239ConductorMaterial, Pricing="1=0.48, 10=0.341, 100=0.1722, 500=0.15262, 1000=0.11878 (USD)", RoHS=Yes, Stock=17150, Supplier=Digikey
D7: library part "LED RED 0805", "Single Color LED, Red, Untinted Diffused, 1.4mm", Manufacturer="Broadcom Avago", Supplier Part Number=516-1428-6-ND, Category=LEDs, Designed by=UK, Lead Free=5697LeadFree, Manufacturer Part Number=HSMC-C170, Pricing="1=0.62, 10=0.38, 100=0.2182, 1000=0.1708, 2000=0.15657 (USD)", RoHS=Yes, Stock=40108, Supplier=Digikey
D8 D9 D10 D11: library part "LED GREEN 0805", "LED Low-Power Uni-Color Green 565nm 2.1V 2-Pin Chip LED T/R", Case Code (Imperial)=0805, Case Code (Metric)=2012, Color=Green, Forward Current=30mA, Forward Voltage=2.1V, Lens Color=Colorless, Manufacturer="Vishay Lite-On", Max Operating Temperature=85°C, Min Operating Temperature=-55°C, Package Quantity=3000, Power Dissipation=100mW, Reverse Voltage=5V, Supplier Part Number=160-1423-2-ND, Test Current=10mA, Case/Package=0805, Category=LEDs, ComponentLink1Description=https://datasheet.ciiva.com/2110/ltst-c171gkt-2110000.pdf?src-supplier=Digikey, ComponentLink1URL=https://datasheet.ciiva.com/2110/ltst-c171gkt-2110000.pdf?src-supplier=Digikey, ComponentLink2Description=https://datasheet.ciiva.com/11773/0900766b80dc0296-11773991.pdf?src-supplier=Rs, ComponentLink2URL=https://datasheet.ciiva.com/11773/0900766b80dc0296-11773991.pdf?src-supplier=Rs, ComponentLink3Description=https://datasheet.ciiva.com/12400/lite-on-ltst-c171gkt-190133-12400647.pdf?src-supplier=Mouser, ComponentLink3URL=https://datasheet.ciiva.com/12400/lite-on-ltst-c171gkt-190133-12400647.pdf?src-supplier=Mouser, ComponentLink4Description=https://datasheet.ciiva.com/2110/ltst-c171gkt-2110001.pdf?src-supplier=Digikey, ComponentLink4URL=https://datasheet.ciiva.com/2110/ltst-c171gkt-2110001.pdf?src-supplier=Digikey, ComponentLink5Description=https://datasheet.ciiva.com/2110/ltst-c171gkt-2110002.pdf?src-supplier=Digikey, ComponentLink5URL=https://datasheet.ciiva.com/2110/ltst-c171gkt-2110002.pdf?src-supplier=Digikey, ComponentLink6Description=https://datasheet.ciiva.com/16396/ltst-c171gkt-16396549.pdf?src-supplier=Future+Electronics, ComponentLink6URL=https://datasheet.ciiva.com/16396/ltst-c171gkt-16396549.pdf?src-supplier=Future+Electronics, Depth=1.25mm, Designed by=UK, Dominant Wavelength=569nm, Height=0.9mm, Illumination Color=Green, Lead Free="Lead Free", Length=2mm, Lens Size=1.25mm, Lens Style=Flat,Diffused,Colorless,Rectangular,Clear, Lens Transparency=Clear, Luminous Intensity=12mcd, Manufacturer Part Number=LTST-C171GKT, Mounting Technology="Surface Mount", Number of Elements=1, Number of LEDs=1, Packaging="Tape and Reel", Pins=2, Power Rating=100mW, Pricing="3000=0.04692, 6000=0.0408, 15000=0.03672, 30000=0.03264, 75000=0.02958, 150000=0.02754 (USD)", Radiation Hardening=No, RoHS=Yes, RoHS Compliant=Yes, Series=-, Stock=357000, Supplier=Digikey, Viewing Angle=130°, Wavelength=565nm, Width=1.25mm
F1: "Fuse Chip Fast Acting 1A 32V SMD Solder Pad 1206 Glass T/R VDE/cULus", Case Code (Imperial)=1206, Case Code (Metric)=3216, Current Rating=1A, DC Cold Resistance=94.2mR, Manufacturer=Schurter, Max Operating Temperature=90°C, Min Operating Temperature=-55°C, Package Quantity=1000, Supplier Part Number=486-1144-6-ND, Voltage Rating=32V, Voltage Rating (DC)=63V, Approvals=VDE,cURus, Body Material=Glass,Epoxy, Case/Package=1206, Category=Fuses, ComponentLink1Description=https://datasheet.ciiva.com/301/typ-usi-1206-301440.pdf?src-supplier=Digikey, ComponentLink1URL=https://datasheet.ciiva.com/301/typ-usi-1206-301440.pdf?src-supplier=Digikey, ComponentLink2Description=https://datasheet.ciiva.com/8264/typ-usi-1206-8264583.pdf?src-supplier=Avnet, ComponentLink2URL=https://datasheet.ciiva.com/8264/typ-usi-1206-8264583.pdf?src-supplier=Avnet, ComponentLink3Description=https://datasheet.ciiva.com/16316/typ-usi-1206-16316588.pdf?src-supplier=Future+Electronics, ComponentLink3URL=https://datasheet.ciiva.com/16316/typ-usi-1206-16316588.pdf?src-supplier=Future+Electronics, ComponentLink4Description=https://datasheet.ciiva.com/301/typ-usi-1206-301439.pdf?src-supplier=Digikey, ComponentLink4URL=https://datasheet.ciiva.com/301/typ-usi-1206-301439.pdf?src-supplier=Digikey, ComponentLink5Description=https://datasheet.ciiva.com/14541/70160006-14541114.pdf?src-supplier=Allied+Electronics, ComponentLink5URL=https://datasheet.ciiva.com/14541/70160006-14541114.pdf?src-supplier=Allied+Electronics, ComponentLink6Description=https://datasheet.ciiva.com/14102/qousi1206-data-e-14102903.pdf?src-supplier=Distrelec, ComponentLink6URL=https://datasheet.ciiva.com/14102/qousi1206-data-e-14102903.pdf?src-supplier=Distrelec, ComponentLink7Description=https://datasheet.ciiva.com/301/typ-usi-1206-301441.pdf?src-supplier=Digikey, ComponentLink7URL=https://datasheet.ciiva.com/301/typ-usi-1206-301441.pdf?src-supplier=Digikey, Contact Plating=Gold, Designed by=UK, Fuse Type="Board Mount (Cartridge Style Excluded)", Height=0.6mm, Lead Free="Lead Free", Length=3.2mm, Manufacturer Part Number=3413.0216.22, Mounting Technology="Surface Mount,PCB", Packaging="Tape and Reel", Pins=2, Pricing="1=0.67, 50=0.524, 100=0.397, 500=0.345 (USD)", RoHS=Yes, RoHS Compliant=Yes, Series="USI 1206", Stock=16695, Supplier=Digikey, Terminal Material=Tin, Termination=SMD/SMT, Voltage Rating (AC)=32V, Weight=0.000212oz, Width=1.6mm, Working Voltage=32V
J1 J2 J3: library part "2P TH TERMINAL 5.08 MALE", "2 Poles, Pluggable, Receptacle, Horizontal, 5.08 Pitch, Terminal Block Connector", Manufacturer="CUI Devices", Supplier Part Number=102-6406-ND, Category="Terminal Blocks", ComponentLink1Description=https://www.cuidevices.com/product/resource/digikeypdf/tbp01r1-508.pdf?src-supplier=Digikey, ComponentLink1URL=https://www.cuidevices.com/product/resource/digikeypdf/tbp01r1-508.pdf?src-supplier=Digikey, ComponentLink2Description=https://datasheet.octopart.com/TBP01R1-508-02BE-CUI-Devices-datasheet-147843976.pdf?src-supplier=Future+Electronics, ComponentLink2URL=https://datasheet.octopart.com/TBP01R1-508-02BE-CUI-Devices-datasheet-147843976.pdf?src-supplier=Future+Electronics, ComponentLink3Description=https://datasheet.octopart.com/TBP01R1-508-02BE-CUI-Devices-datasheet-154730754.pdf?src-supplier=Electro+Sonic, ComponentLink3URL=https://datasheet.octopart.com/TBP01R1-508-02BE-CUI-Devices-datasheet-154730754.pdf?src-supplier=Electro+Sonic, Designed by=UK, Manufacturer Part Number=TBP01R1-508-02BE, Pricing="1=0.33, 10=0.176, 25=0.1244, 50=0.1058, 100=0.1022, 400=0.08638, 800=0.0743, 1200=0.07058, 5200=0.0654 (USD)", RoHS=Yes, Stock=98988, Supplier=Digikey
J4 J5: "2.0 x 6.3 mm, 5.0 A, Horizontal, Surface Mount (SMT), Dc Power Jack Connector", Case/Package=SMD/SMT, Color=Black, Current Rating=5A, Flammability Rating="UL94 V-0", Insulation Resistance=100MR, Manufacturer=CUI, Max Operating Temperature=85°C, Min Operating Temperature=-25°C, Package Quantity=200, Supplier Part Number=CP-037AHPJTR-ND, Voltage Rating=24V, Category=Uncategorized, ComponentLink1Description=http://www.mouser.com/ds/2/670/pj-037ah-smt-516065.pdf?src-supplier=Mouser, ComponentLink1URL=http://www.mouser.com/ds/2/670/pj-037ah-smt-516065.pdf?src-supplier=Mouser, ComponentLink2Description=https://www.cui.com/product/resource/digikeypdf/pj-037ah-smt-tr.pdf?src-supplier=Digikey, ComponentLink2URL=https://www.cui.com/product/resource/digikeypdf/pj-037ah-smt-tr.pdf?src-supplier=Digikey, ComponentLink3Description=http://www.cui.com/product/resource/digikeypdf/pj-037ah-smt.pdf?src-supplier=Digikey, ComponentLink3URL=http://www.cui.com/product/resource/digikeypdf/pj-037ah-smt.pdf?src-supplier=Digikey, Connector Type=Jack, Contact Gender=Male, Contact Material=Copper, Contact Plating=Nickel, Designed by=UK, Gender=Male, Housing Color=Black, Housing Material=Thermoplastic, Manufacturer Part Number=PJ-037AH-SMT-TR, Mounting Technology="Surface Mount,Through Hole", Number of Conductors=2, Orientation=Horizontal, Packaging="Tape and Reel", RoHS=Yes, Shielding=Unshielded, Supplier=Digikey, Termination=Solder